# Altium PCB Test.PcbDoc (part 4 of 7) (continued)
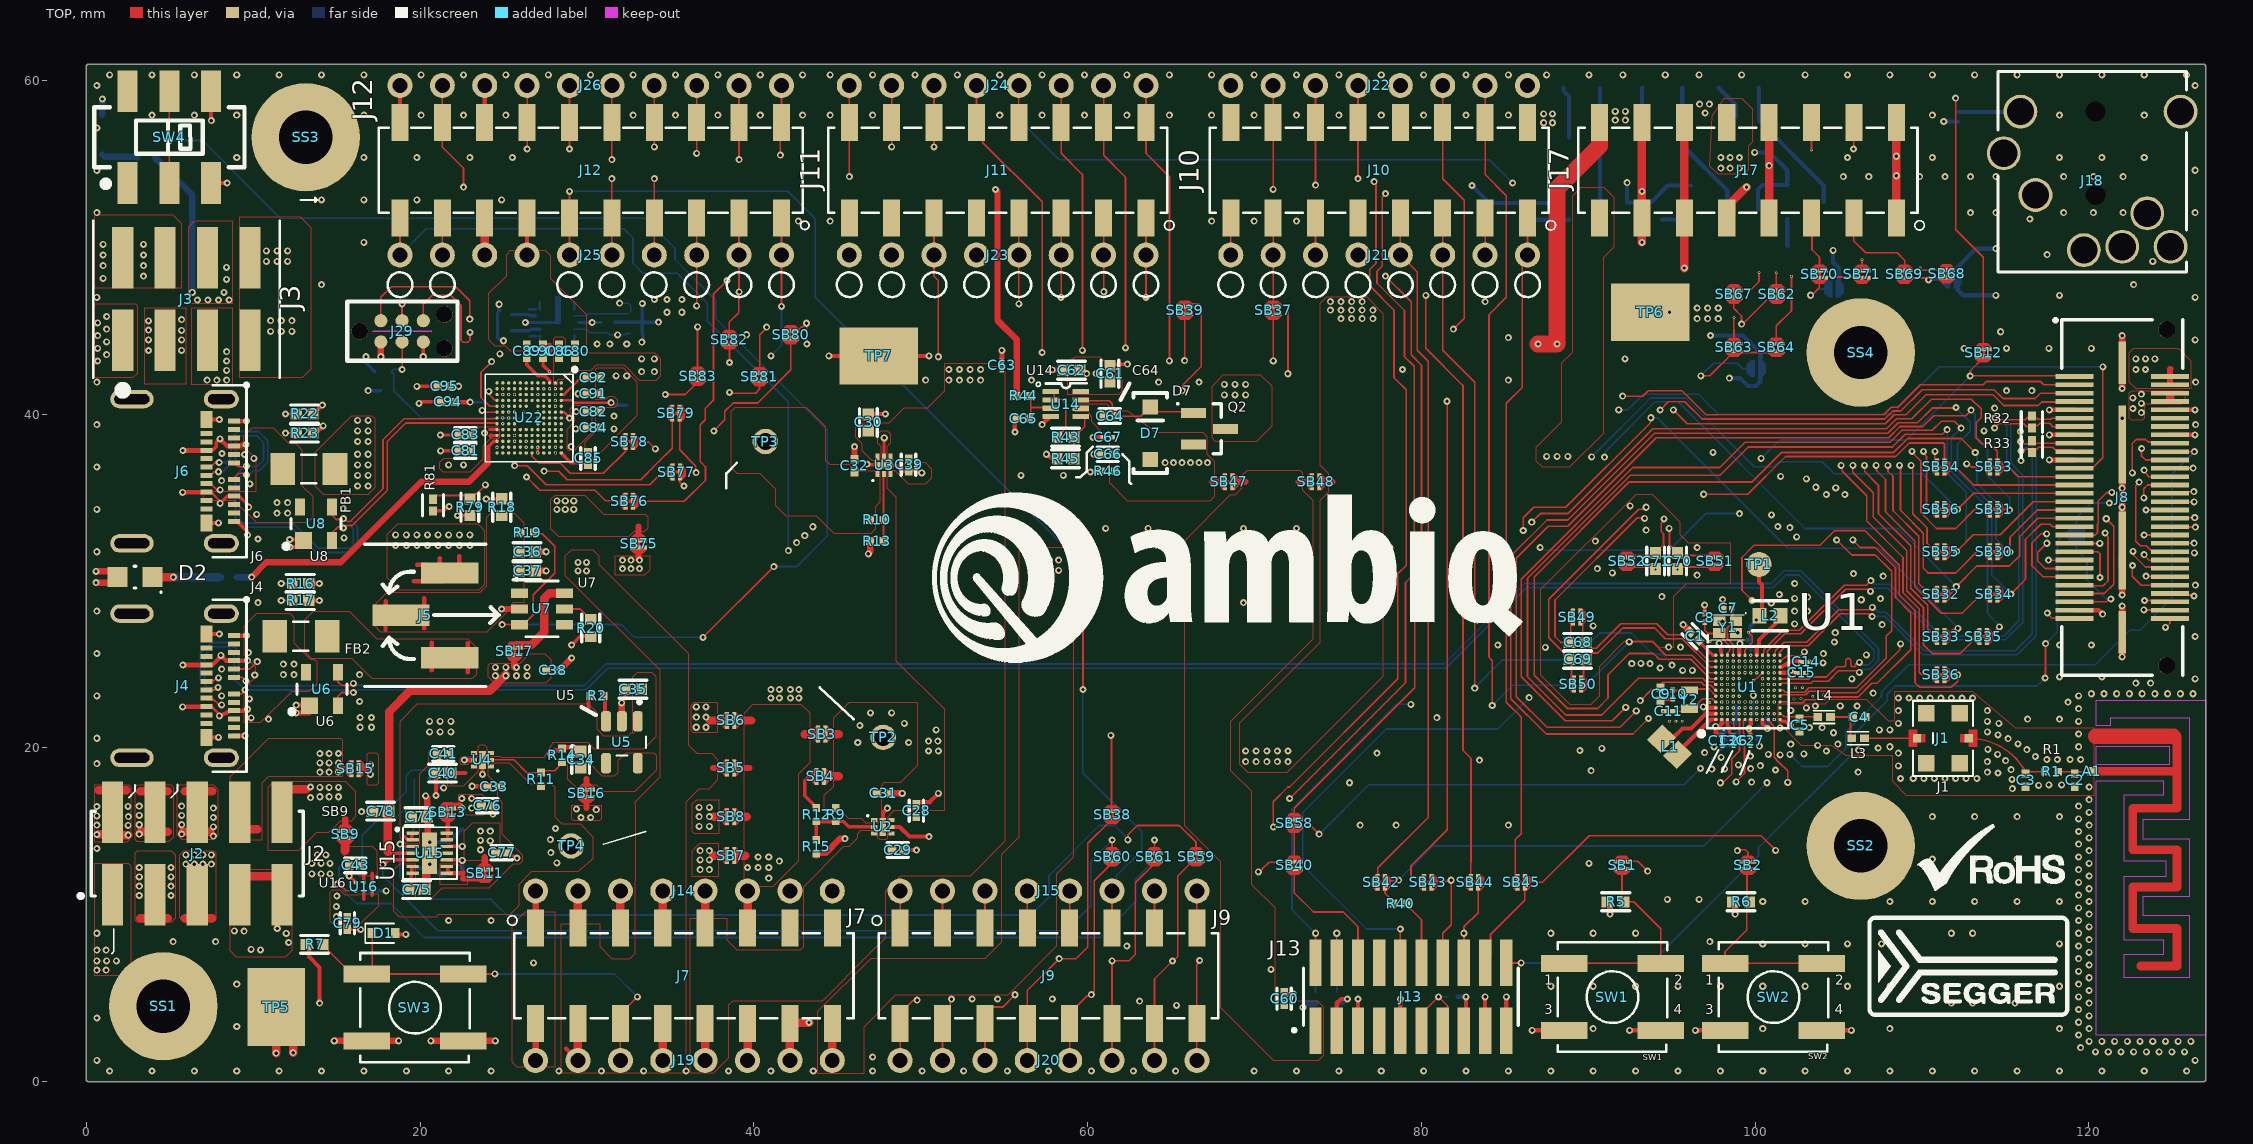
[diagram p0: TOP view]
## Nets (pads, with @x,y where several pads share a name; then routed paths per layer and width w, separated by ;. In a path a pad name is that pad's centre, name@x,y a point inside that pad or via, vN(x,y) a via of type N, cw(c..) or ccw(c..) an arc to the next point about the centre after c; other vN are vias at no path point) (continued)
  TOP w0.102: C7.1@98.641,28.296 98.641,27.838 Y1.1@98.875,27.605 ; U1.D12@98.693,25.547 98.693,26.173 98.349,26.518 98.349,27.228 98.384,27.263 98.535,27.373 Y1.1@98.849,27.579
NetC8_1: C8.1 U1.C12 Y1.3 | length 3.2
  TOP w0.102: C8.1@96.979,27.532 96.979,27.062 97.188,26.853 97.849,26.853 98.095,26.853 98.095,26.487 98.179,26.404 98.179,26.401 98.476,26.104 98.476,25.832 98.343,25.699 U1.C12@98.343,25.547
NetC10_1: C10.1 U1.A5 Y2.1 | length 2.8
  TOP w0.102: C10.1@95.072,23.508 95.146,23.434 Y2.1@96.063,23.434 96.155,23.527 97.232,23.527 97.643,23.116 U1.A5@97.643,23.097
NetC11_1: C11.1 U1.A4 Y2.2 | length 2.9
  TOP w0.102: C11.1@95.085,22.2 95.926,22.2 Y2.2@96.063,22.337 96.251,22.337 96.85,22.936 97.438,22.936 97.627,22.747 U1.A4@97.643,22.747
NetC43_1: C43.1 SB9.1 U16.A1 U16.B1 | length 1.7
  TOP w0.203: U16.B1@16.637,11.934 16.637,12.446 ; U16.A1@17.137,11.934 17.137,12.502
  TOP w0.381: C43.1@16.483,12.954 16.529,12.954 C43.1@16.57,12.913
  TOP w0.508: 15.519,13.843 15.519,14.398
NetC44_1: C44.1 U18.12 | length 1.4
  BOTTOM w0.203: C44.1@25.492,45.963 26.524,45.963 26.602,45.885 U18.12@26.905,45.885
NetC45_1: C45.1 U18.10 | length 1.7
  BOTTOM w0.203: C45.1@25.499,44.983 26.549,44.983 26.651,45.085 U18.10@27.178,45.085
NetC64_1: C64.1 D7.1 Q2.1 U14.7 | length 7.5
  TOP w0.102: U14.7@59.827,40.889 59.918,40.798 61.292,40.798 61.469,40.621 61.469,40.059 61.65,39.878 63.195,39.878 63.33,40.013 63.33,40.038 63.729,40.437 D7.1@63.754,40.437 64.059,40.132 Q2.1@66.218,40.132
NetC65_1: C65.1 R44.2 U14.3 | length 2.8
  TOP w0.102: C65.1@56.516,39.724 56.591,39.799 R44.2@56.591,41.041 ; R44.2@56.539,41.092 R44.2@56.584,41.048 ; 56.601,40.391 U14.3@58.029,40.391
NetC68_1: C68.1 SB49.1 U1.A11 | length 11.1
  TOP w0.102: 89.662,27.838 89.662,26.518 89.865,26.314 90.221,25.959 90.475,25.959 91.948,27.432 94.107,27.432 94.767,26.772 95.654,26.772 95.729,26.697 95.731,26.697 97.231,25.197 U1.A11@97.643,25.197
NetC69_1: C69.1 SB50.1 U1.A10 | length 11.1
  TOP w0.102: 89.713,23.825 89.713,25.146 89.865,25.298 90.246,25.679 90.576,25.679 92.075,27.178 93.98,27.178 94.615,26.543 95.631,26.543 97.327,24.847 U1.A10@97.643,24.847
NetC70_1: C70.1 SB51.1 U1.D11 | length 10.9
  TOP w0.102: v2(95.352,30.683) 95.504,30.836 97.587,30.836
  LY2 - GND w0.089: v3(98.693,25.197) 99.06,25.744 99.417,26.101 99.417,26.366 v2(99.517,26.467)
  LY3 - SIG w0.089: v2(95.352,30.683) 95.123,30.455 95.123,29.275 96.89,27.508 97.754,26.645 98.603,26.645 98.678,26.57 99.287,26.57 v2(99.517,26.467)
NetC71_1: C71.1 SB52.1 U1.C11 | length 9.6
  TOP w0.102: 92.304,30.836 93.878,30.836 v2(94.031,30.683)
  LY2 - GND w0.076: 98.03,25.541 v3(98.343,25.197)
  LY2 - GND w0.089: v2(97.307,26.365) 97.434,26.238 97.434,25.832 97.536,25.73 97.841,25.73 98.03,25.541
  LY3 - SIG w0.089: v2(94.031,30.683) 94.666,30.683 94.907,30.442 94.907,29.123 96.522,27.508 97.307,26.722 v2(97.307,26.365)
NetC72_1: C72.1 U15.12 | length 0.9
  TOP w0.203: U15.12@21.649,14.091 21.655,14.097 v1(22.53,14.097)
NetC73_1: C73.1 U15.10 | length 1.8
  TOP w0.203: U15.10@21.649,13.291 22.498,13.291 v1(22.53,13.259)
  BOTTOM w0.254: C73.1@22.53,12.37 v1(22.53,13.259)
NetC85_1: C85.1 U22.A13 | length 1.8
  TOP w0.203: U22.A13@28.462,37.668 29.035,37.094 C85.1@30.008,37.094
NetC86_2: C86.2 C90.1 U22.C2 | length 2.8
  TOP w0.152: C90.1@27.527,43.564 27.671,43.564 28.065,43.958 C86.2@28.169,43.958
  TOP w0.203: C90.1@27.367,43.383 27.367,42.931 v3(27.761,42.536)
  LY2 - GND w0.102: v3(27.762,41.518) v3(27.761,42.536)
NetC89_1: C89.1 U22.C1 | length 2.3
  TOP w0.203: C89.1@26.394,43.383 26.394,42.948 27.054,42.288 27.472,42.288 27.762,41.998 U22.C1@27.762,41.868
NetC91_1: C91.1 U22.B3 | length 1.9
  TOP w0.152: v1(29.467,41.218) 29.984,41.218 C91.1@29.996,41.23
  LY2 - GND w0.102: v3@28.114,41.17 v1@29.467,41.17
  other v3: 28.112,41.168
NetC92_1: C92.1 U22.A3 | length 1.7
  TOP w0.152: U22.A3@28.462,41.168 28.626,41.168 29.484,42.026 C92.1@29.836,42.026
NetC93_1: C93.1 J29.3 R71.1 U22.A6 | length 15.4
  TOP w0.102: v1@18.925,42.65 J29.3@18.925,44.321
  TOP w0.152: U22.A6@28.462,40.118 28.628,40.118 v1@28.975,39.77
  BOTTOM w0.089: C93.1@18.434,41.402 18.434,42.393 R71.1@18.282,42.545 18.41,42.672 v1(18.923,42.672)
  BOTTOM w0.102: C93.1@18.434,41.402 20.085,39.751 v1(28.956,39.751)
NetD2_1: D2.1 R76.2 | length 4
  TOP w0.508: D2.1@3.975,30.226 v1(5.215,30.226)
  BOTTOM w0.508: v1(5.215,30.226) R76.2@8.007,30.226
NetD3_1: D3.1 Q3.3 | length 8
  BOTTOM w0.254: D3.1@95.636,59.55 95.636,56.104 98.323,53.416 Q3.3@98.323,52.68
NetD3_2: D3.2 R34.1 | length 1.6
  BOTTOM w0.254: R34.1@93.218,57.912 93.218,59.53 D3.2@93.238,59.55
NetD4_1: D4.1 Q4.3 | length 7.1
  BOTTOM w0.254: D4.1@90.704,59.541 90.704,52.908 90.958,52.654 Q4.3@91.034,52.654
NetD4_2: D4.2 R35.1 | length 3.1
  BOTTOM w0.254: D4.2@88.514,59.55 88.514,59.369 88.849,59.033 R35.1@88.849,56.566
NetD5_1: D5.1 Q5.3 | length 8.5
  BOTTOM w0.254: D5.1@100.208,59.55 100.228,59.53 100.228,57.582 104.115,53.696 Q5.3@104.115,52.705
NetD5_2: D5.2 R36.1 | length 2.2
  BOTTOM w0.254: D5.2@97.81,59.55 98.857,58.504 R36.1@98.857,57.785
NetD8_2: D8.2 R49.1 | length 2.2
  BOTTOM w0.381: D8.2@0.965,55.545 1.089,55.421 2.999,55.421 R49.1@3.048,55.372
NetFB1_1: FB1.1 J6.A4 J6.A9 J6.B4 J6.B9 U8.4 | length 9.2
  TOP w0.127: J6.B4@7.206,35.326 7.292,35.24 7.566,35.24 v1@8.021,34.785
  TOP w0.152: v1(8.021,34.647) v1@8.021,34.799
  TOP w0.203: J6.B9@7.206,37.826 7.226,37.846 7.587,37.846 7.785,38.044 7.785,38.316 7.979,38.51 v1(8.015,38.51) ; v1(8.021,34.647) 8.09,34.716 8.452,35.077 J6.A9@8.854,35.077 9.178,35.077 9.731,34.524 v1(9.731,34.426)
  TOP w0.254: v1(8.015,38.51) 8.449,38.077 J6.A4@8.854,38.077 ; J6.A4@8.867,38.09 8.877,38.1 9.242,38.1 9.26,38.118 9.401,38.118 9.429,38.145 9.548,38.145 v1(9.58,38.177)
  TOP w0.279: v1@5.78,35.317 J6.B4@7.196,35.317 ; v1@5.798,37.821 J6.B9@7.201,37.821
  other v1: 10.207,33.992 11.43,34.061 12.065,34.061 11.43,34.696 12.065,34.696 5.77,35.307 5.793,37.816
NetFB2_1: FB2.1 J4.A4 J4.A9 J4.B4 J4.B9 U6.4 | length 8.6
  TOP w0.152: J4.B4@7.206,22.474 7.494,22.474 7.978,21.989 v1(7.978,21.914)
  TOP w0.254: J4.B9@7.206,24.973 7.565,24.973 8.062,25.47 v1(8.062,25.54) 8.377,25.225 J4.A4@8.854,25.225 v1(9.671,25.225) ; v1(7.978,21.914) 8.397,22.105 cw(c8.504,21.874) 8.406,22.109 8.631,22.202 J4.A9@8.854,22.225 9.573,22.225 v1(9.661,22.313)
  TOP w0.279: v1(5.77,22.455) 5.78,22.464 7.196,22.464 J4.B4@7.206,22.474 ; v1(5.793,24.964) 5.798,24.968 7.201,24.968 J4.B9@7.206,24.973
  other v1: 9.881,21.793 11.811,24.384 12.446,24.384 11.811,25.019 12.446,25.019 9.719,25.701
NetJ1_1: J1.1 L3.1 | length 3
  TOP w0.102: L3.1@106.731,20.574 J1.1@109.695,20.574
NetJ4_A5: J4.A5 R17.2 | length 6.3
  TOP w0.102: J4.A5@8.854,24.724 9.779,24.724 9.95,24.853 ccw(c9.671,25.225) 10.012,24.909 v1(10.245,25.161) ; v1(11.684,28.829) R17.2@12.319,28.829
  LY3 - SIG w0.089: v1(10.245,25.161) 11.684,27.616 v1(11.684,28.829)
NetJ4_B5: J4.B5 R16.2 | length 11.1
  TOP w0.102: J4.B5@7.206,22.974 7.289,22.892 7.636,22.892 7.896,22.632 8.05,22.632 v1(8.111,22.571) ; v1(11.684,29.845) R16.2@12.319,29.845
  LY3 - SIG w0.089: v1(8.111,22.571) 8.564,22.785 8.749,23.303 8.749,26.732 9.525,27.508 9.525,28.718 10.652,29.845 v1(11.684,29.845)
NetJ6_A5: J6.A5 R23.2 | length 4.2
  TOP w0.089: J6.A5@8.854,37.577 v1(9.484,37.577)
  TOP w0.102: v1(11.938,38.862) R23.2@12.573,38.862
  LY3 - SIG w0.089: v1(9.484,37.577) 9.504,37.588 10.595,38.189 11.268,38.862 v1(11.938,38.862)
NetJ6_B5: J6.B5 R22.2 | length 10.3
  TOP w0.089: J6.B5@7.206,35.827 7.455,35.827 7.818,35.463 v1(8.023,35.463)
  TOP w0.102: v1(11.938,40.005) R22.2@12.573,40.005
  LY3 - SIG w0.089: v1(8.023,35.463) 7.992,35.463 7.595,35.86 7.595,35.865 7.209,36.251 7.209,38.494 7.777,39.062 10.399,39.062 11.342,40.005 v1(11.938,40.005)
NetJ13_6: J13.6 SB40.1 | length 8.2
  TOP w0.102: SB40.1@72.39,12.734 72.39,11.303 73.533,10.16 75.311,10.16 76.2,9.271 J13.6@76.2,7.115 J13.6@76.2,7.112
NetJ13_11: J13.11 J13.13 R38.2 | length 5.4
  TOP w0.102: J13.11@80.01,3.048 80.23,3.268 80.23,4.297 80.328,4.394 80.34,4.394 80.965,5.019 v1(81.026,5.08) 81.568,4.538 81.568,3.336 J13.13@81.28,3.048
  BOTTOM w0.102: v1(81.026,5.08) R38.2@81.597,5.08
NetJ13_12: J13.12 R40.2 | length 4
  TOP w0.102: R40.2@79.032,10.668 80.01,9.69 J13.12@80.01,7.112
NetJ18_4: J18.4 R48.2 | length 4.7
  BOTTOM w0.254: R48.2@112.141,58.102 116.38,58.102 J18.4@115.895,58.125
NetL2_1: L2.1 U1.H12 | length 3
  TOP w0.254: U1.H12@100.093,25.547 100.093,26.026 100.228,26.162 100.228,26.469 101.214,27.455 101.214,27.59 L2.1@101.539,27.915
NetQ3_1: Q3.1 R62.1 | length 1.7
  BOTTOM w0.254: R62.1@94.412,51.638 94.437,51.664 Q3.1@96.139,51.664
NetQ3_2: Q3.2 R63.1 SB37.2 | length 34.2
  TOP w0.102: SB37.2@71.12,46.008 71.12,43.192 v1(71.124,43.188)
  LY3 - SIG w0.127: v1(71.124,43.188) 82.282,43.188 92.327,53.233 v1(92.327,53.872)
  BOTTOM w0.254: v1(92.327,53.872) 92.329,53.87 92.329,52.68 93.751,52.68 94.767,53.696 Q3.2@96.139,53.696
NetQ4_1: Q4.1 R64.1 | length 1.9
  BOTTOM w0.254: R64.1@86.919,51.638 Q4.1@88.849,51.638
NetQ4_2: Q4.2 R65.1 SB38.2 | length 62.7
  TOP w0.102: v1(61.391,20.751) 61.43,20.713 61.43,16.396 61.468,16.358
  LY3 - SIG w0.127: v1(61.391,20.751) 68.453,27.813 68.453,36.917 63.754,41.616 63.754,43.053 68.813,48.112 76.541,48.112 77.492,49.062 77.492,50.393 80.794,53.696 v1(83.033,53.696)
  BOTTOM w0.254: v1(83.033,53.696) 84.075,52.654 84.811,52.654 87.833,52.654 Q4.2@88.849,53.67
NetQ5_1: Q5.1 R66.1 | length 1.6
  BOTTOM w0.254: Q5.1@101.93,51.689 101.93,50.114 R66.1@101.956,50.089
NetQ5_2: Q5.2 R67.1 SB39.2 | length 49.4
  TOP w0.102: v1@65.814,43.206 SB39.2@65.814,46.008
  LY3 - SIG w0.127: v1@65.818,43.204 66.955,44.342 80.251,44.342 85.128,49.219 85.128,49.941 86.708,51.521 87.208,51.521 91.948,56.261 99.39,56.261 v1(99.974,55.677)
  BOTTOM w0.254: v1(99.974,55.677) 100.863,55.677 101.93,54.61 101.93,53.721 100.432,53.721 100.178,53.467 R67.1@100.178,52.222
  other v1: 65.816,43.204
NetR2_1: R2.1 U5.3 | length 1.6
  TOP w0.254: R2.1@31.009,23.114 31.078,23.045 31.078,21.658 U5.3@31.146,21.589
NetR5_1: R5.1 SB1.2 SW1.1 SW1.2 | length 12.9
  TOP w0.102: SW1.1@88.544,7.087 94.336,7.087 94.336,9.169 92.735,10.77 92.037,10.77 91.986,10.77 92.022,10.806 SB1.2@92.022,12.731
NetR6_1: R6.1 SB2.2 SW2.1 SW2.2 | length 11.9
  TOP w0.102: 99.517,12.598 99.517,10.782 99.504,10.77 99.504,9.08 98.196,7.772 98.196,7.087 SW2.2@103.988,7.087
NetR9_1: R9.1 R12.2 R15.2 U2.2 | length 4.6
  TOP w0.203: R12.2@43.733,15.546 R12.2@43.76,15.574 ; R15.2@43.739,14.572 43.748,14.58 R12.2@43.748,15.543 ; R12.2@43.764,15.577 44.882,15.577 44.907,15.602 45.358,15.602 45.699,15.261 U2.2@47.239,15.261
NetR10_1: R10.1 R13.1 U3.2 | length 4
  TOP w0.102: R13.1@47.771,32.385 U3.2@47.771,36.417
NetR11_1: R11.1 R14.2 U4.2 | length 4.7
  TOP w0.102: U4.2@24.249,19.283 25.631,19.283 26.398,18.516 R11.1@27.238,18.516 ; R11.1@27.238,18.621 28.062,18.621 R14.2@28.499,19.058
NetR12_1: R12.1 SB4.1 | length 2.7
  TOP w0.203: R12.1@43.739,16.452 43.053,17.138 43.053,18.034 43.307,18.288 SB4.1@43.756,18.288
NetR19_2: R19.2 SW4.2 SW4.5 U7.3 | length 90
  TOP w0.102: SW4.2@4.978,53.841 v1(4.978,56.388) SW4.5@4.978,59.341 ; v1(24.923,27.387) 25.937,27.387 U7.3@25.952,27.371 26.175,27.371 26.775,27.972 26.775,29.166 28.065,30.456 28.065,32.083 27.32,32.828 26.989,32.828 R19.2@26.924,32.893 ; v1(36.957,26.619) v1(41.199,30.861)
  BOTTOM w0.102: v1(4.978,56.388) 6.985,56.388 11.633,51.74 33.483,51.74 35.281,49.942 35.281,49.258 37.719,46.82 37.719,45.724 44.399,39.044 44.399,32.689 42.571,30.861 v1(41.199,30.861) ; v1(24.923,27.387) 32.049,27.387 32.817,26.619 v1(36.957,26.619)
NetR20_2: R20.2 U7.5 | length 1.8
  TOP w0.102: U7.5@28.658,28.321 29.591,28.321 R20.2@30.226,27.686
NetR43_1: R43.1 U14.1 U14.2 | length 3.5
  TOP w0.102: U14.1@58.029,41.389 58.011,41.372 58.011,40.907 58.029,40.889 58.435,40.889 58.695,40.629 58.695,39.137 R43.1@58.166,38.608
NetR43_2: R43.2 R45.2 U14.5 | length 2.6
  TOP w0.102: R45.2@59.182,37.592 59.182,38.608 59.827,39.253 U14.5@59.827,39.891
NetR51_2: R51.2 R52.1 SB60.2 U15.5 | length 58.2
  TOP w0.102: SB60.2@61.468,13.682 v1(61.468,14.478)
  TOP w0.203: v1(17.767,13.006) 17.826,13.006 18.11,13.291 U15.5@19.401,13.291
  BOTTOM w0.102: R51.2@19.66,18.11 19.66,16.485 19.612,16.437 19.19,16.437 18.245,15.492 18.245,13.485 v1(17.767,13.006) 17.767,12.332 21.053,9.046 58.703,9.046 60.198,10.541 60.198,13.208 v1(61.468,14.478)
NetR53_1: R53.1 R54.2 SB59.2 U15.3 | length 59
  TOP w0.102: v1(18.796,14.224) 18.883,14.224 19.015,14.092 U15.3@19.498,14.092 ; v1(62.408,14.491) 62.418,14.5 62.418,14.793 62.973,15.348 65.495,15.348 66.501,14.342 66.501,13.952 66.501,13.817 SB59.2@66.501,13.682
  BOTTOM w0.102: R53.1@19.609,15.316 19.609,14.707 19.159,14.257 18.829,14.257 v1(18.796,14.224) ; R54.2@19.634,13.818 19.566,13.885 19.135,13.885 v1(18.796,14.224) ; v1(62.408,14.491) 62.408,14.554 61.614,15.348 60.687,15.348 57.693,12.354 57.693,11.084 56.589,9.98 25.189,9.98 24.247,10.922 20.117,10.922 18.796,12.243 v1(18.796,14.224)
NetR56_1: R56.1 R57.2 SB61.2 U16.C2 | length 58.2
  TOP w0.102: v1(15.023,11.829) 15.084,11.768 15.251,11.768 15.585,11.434 U16.C2@16.137,11.434 ; SB61.2@64.008,13.682 v1(64.008,14.478)
  BOTTOM w0.102: R56.1@15.727,13.462 15.727,13.46 15.143,12.876 15.143,12.036 15.023,11.916 v1(15.023,11.829) 16.184,10.668 18.237,10.668 20.266,8.639 60.74,8.639 62.865,10.764 62.865,12.111 64.008,13.254 v1(64.008,14.478)
NetR72_1: R72.1 U22.A4 | length 4
  TOP w0.152: U22.A4@28.478,40.827 U22.A4@28.505,40.827 ; U22.A4@28.519,40.841 29.072,40.841 29.226,40.687 v1(31.453,40.687)
  BOTTOM w0.203: v1@31.526,40.705 31.712,40.519 R72.1@32.385,40.519
NetR76_1: R76.1 U22.M11 | length 19.5
  TOP w0.203: 24.091,38.04 24.418,38.368 U22.M11@24.612,38.368
  TOP w0.254: 24.091,37.096 24.091,38.04
  TOP w0.381: v1(9.906,30.226) 10.795,31.115 15.24,31.115 20.066,35.941 22.935,35.941 24.091,37.096
  BOTTOM w0.381: R76.1@9.011,30.226 v1(9.906,30.226)
NetR79_1: R79.1 R81.2 U22.M4 | length 14.5
  TOP w0.102: R81.2@20.777,34.9 20.777,34.94 20.958,35.121 22.786,35.121 R79.1@22.987,34.919 23.27,35.202 23.377,35.202 23.918,35.744 v1(23.918,35.756) ; v1@23.762,35.692 v1@23.855,35.692 ; v1(24.122,41.359) 24.183,41.298 24.183,41.138 24.485,40.836 24.593,40.836 U22.M4@24.612,40.818
  LY3 - SIG w0.102: v1(23.918,35.756) 23.918,37.931 21.717,40.132 21.717,41.91 21.971,42.164 23.166,42.164 23.91,41.42 24.061,41.42 v1(24.122,41.359)
NetSB11_1: SB11.1 U15.8 U15.9 | length 2.6
  TOP w0.203: U15.8@21.649,12.491 U15.9@21.649,12.89
  TOP w0.254: U15.8@21.649,12.491 22.611,12.491
  TOP w0.381: 22.581,12.169 SB11.1@23.819,12.169
NetSB13_1: SB13.1 U15.13 U15.14 | length 1.3
  TOP w0.203: U15.13@21.649,14.491 U15.14@21.649,14.89
  TOP w0.254: U15.14@21.666,14.908 21.666,15.773
NetSB17_1: SB17.1 U7.6 | length 5.4
  TOP w0.508: 25.781,26.162 26.67,26.162 27.432,26.924 27.432,28.956 27.747,29.271 U7.6@28.658,29.271
nRST: C9.1 D1.1 J7.6 J13.10 J19.3 R7.1 SB76.2 SW3.1 SW3.2 U1.A6 | length 198.3
  TOP w0.102: R7.1@14.186,8.219 14.47,7.936 14.47,7.886 15.443,6.913 15.443,6.909 15.9,6.452 SW3.1@16.789,6.452 ; D1.1@17.132,8.889 17.132,6.795 SW3.1@16.789,6.452 ; v1(24.486,6.452) 22.581,6.452 SW3.1@16.789,6.452 ; J19.3@32.004,1.27 J7.6@32.004,3.48 ; J7.6@32.004,3.492 32.004,4.092 32.464,4.552 32.492,4.552 v1(33.02,5.08) ; SB76.2@32.757,34.773 35.839,34.773 37.109,36.043 37.109,36.83 36.785,37.155 36.785,39.35 37.084,39.649 37.084,40.335 37.579,40.83 37.579,47.178 v1(38.403,48.001) ; J13.10@78.74,7.112 J13.10@78.74,7.115 v1(78.74,9.144) ; v1(93.127,22.83) 93.805,23.508 94.336,23.508 C9.1@94.336,23.594 94.336,23.825 94.448,23.938 96.763,23.938 96.946,23.755 97.335,23.755 U1.A6@97.643,23.447
  LY3 - SIG w0.089: v1(33.02,5.08) 43.389,5.08 44.913,3.556 73.152,3.556 v1(78.74,9.144)
  LY6 - SIG w0.089: v1(38.403,48.001) 38.407,48.006 40.005,48.006 40.259,47.752 56.769,47.752 58.248,46.273 72.688,46.273 83.693,35.268 83.693,25.943 86.395,23.241 86.395,23.075 v1(86.459,23.011) ; v1@86.549,23.011 86.671,22.888 93.068,22.888 v1(93.127,22.83)
  BOTTOM w0.102: v1(24.486,6.452) 31.648,6.452 v1(33.02,5.08) ; v1(78.74,9.144) 76.708,9.144 72.898,12.954 72.898,16.129 77.895,21.126 84.574,21.126 v1(86.459,23.011)
OB_CTS: SB82.1 U22.M6 | length 23.8
  TOP w0.102: v1(23.716,40.221) 23.803,40.221 23.898,40.126 23.903,40.126 23.912,40.118 24.592,40.118 U22.M6@24.602,40.108 ; SB82.1@38.532,44.23 38.532,43.969 38.544,43.957 v1(38.544,43.091)
  LY3 - SIG w0.102: v1(23.716,40.221) 24.987,38.951 27.12,38.951 28.732,37.338 32.656,37.338 33.761,38.444 38.19,38.444 39.498,39.752 39.498,42.138 v1(38.544,43.091)
OB_RTS: SB83.1 U22.K6 | length 12.2
  TOP w0.102: v1(34.701,41.174) 35.89,41.174 36.627,41.91 SB83.1@36.627,42.046
  LY2 - GND w0.102: v3@25.316,40.122 v2(26.195,40.122)
  LY3 - SIG w0.102: v2@26.199,40.126 26.193,40.132 28.321,40.132 28.829,40.64 30.099,40.64 30.65,41.191 34.683,41.191 v1(34.701,41.174)
  other v3: 25.312,40.118
OB_RXD: SB81.1 U22.L3 | length 16.9
  TOP w0.102: v1(38.544,41.303) 38.597,41.25 40.107,41.25 40.335,41.478 SB81.1@40.335,42.02
  LY3 - SIG w0.102: v2@24.981,41.148 24.981,40.975 25.2,40.756 27.421,40.756 28.448,41.783 37.122,41.783 37.602,41.303 v1(38.544,41.303)
  other v2: 24.962,41.168
OB_TXD: SB80.1 U22.L2 | length 23.2
  TOP w0.102: v1(37.603,38.988) 38.266,39.651 38.266,40.159 38.772,40.665 40.234,40.665 42.215,42.647 SB80.1@42.215,44.535
  LY3 - SIG w0.102: v2@24.942,41.498 24.788,41.498 24.625,41.335 24.625,40.92 25.159,40.386 25.352,40.386 26.32,39.418 28.324,39.418 29.125,38.618 32.529,38.618 32.88,38.969 37.583,38.969 v1(37.603,38.988)
  other v2: 24.962,41.518
OB_VDDUSB0P9: C94.1 C96.1 U18.8 U18.9 U22.L7 | length 5.1
  TOP w0.254: C94.1@22.052,40.714 v1(22.998,40.714)
  LY2 - GND w0.152: v1(22.998,40.714) 23.05,40.766 23.218,40.766 23.222,40.77 24.159,40.77 24.961,39.968 v3(24.962,39.768)
  BOTTOM w0.152: v1@23.013,40.699 23.826,40.699 ; 26.576,44.675 U18.9@26.976,44.675 ; U18.8@27.178,44.285 U18.9@27.178,44.685
OB_VDDUSB0P9_En: R74.2 U18.5 U22.M5 | length 15.4
  TOP w0.102: v1(24.29,43.137) 23.655,42.501 23.655,40.989 24.176,40.468 U22.M5@24.612,40.468
  LY3 - SIG w0.102: v1(24.29,43.137) 28.151,43.137 29.76,44.746 v1(31.84,44.746)
  BOTTOM w0.102: U18.5@29.228,45.085 29.962,45.085 30.176,44.871 31.225,44.871 ; 31.231,44.877 31.362,44.746 v1(31.84,44.746) 32.251,44.746 32.336,44.831 R74.2@32.618,44.831
OB_VDDUSB33: C46.1 C95.1 U18.13 U18.14 U22.K7 | length 5.1
  TOP w0.254: C95.1@21.824,41.667 v1(22.318,41.667)
  LY3 - SIG w0.203: v1@22.338,41.67 23.024,41.67 23.864,40.83 24.215,40.83 25.272,39.773 25.307,39.773 v2(25.312,39.768)
  BOTTOM w0.152: 26.52,46.293 U18.13@26.92,46.293 ; U18.13@27.178,46.285 U18.14@27.178,46.685
OB_VDDUSB33_En: R75.2 U18.3 U22.L5 | length 17.3
  LY2 - GND w0.102: v1(24.787,43.611) 26.035,42.363 26.035,40.975 25.694,40.633 25.128,40.633 v3(24.962,40.468)
  LY3 - SIG w0.102: v1(24.787,43.611) 26.847,43.611 29.883,46.647 v1(31.957,46.647)
  BOTTOM w0.102: U18.3@29.231,45.888 29.979,45.888 30.098,46.007 R75.2@32.489,46.007 ; v1(31.957,46.647) 32.474,46.647 32.618,46.503 R75.2@32.618,46.101
PDM0CK_SWTRCK_RTS23_TE_GP50: J10.4 J22.2 U1.A9 | length 53.9
  TOP w0.102: J22.2@83.82,59.69 83.82,54.356 85.09,53.086 85.09,46.99 84.051,45.951 84.051,25.423 84.247,25.227 v1(84.247,22.534) ; v1(92.458,26.348) 93.848,26.348 94.651,25.545 94.996,25.545 96.22,25.545 97.269,24.497 U1.A9@97.643,24.497
  BOTTOM w0.102: v1(84.247,22.534) 85.462,23.749 89.859,23.749 v1(92.458,26.348)
PDM0DAT_SWTR0_CTS01_GP51: J10.5 J21.3 U1.B9 | length 46.6
  TOP w0.102: J10.5@81.28,51.752 J21.3@81.28,49.53 81.28,43.815 83.198,41.897 83.198,23.727 83.304,23.622 v1@83.312,23.622
  LY2 - GND w0.076: v1(95.018,24.96) 95.018,24.995 95.423,25.4 96.574,25.4 97.561,24.409 97.905,24.409 v3(97.993,24.497)
  BOTTOM w0.102: v1(83.198,23.579) 83.198,23.604 84.855,25.261 89.066,25.261 90.686,26.881 92.596,26.881 93.881,25.596 94.446,25.596 95.018,25.024 v1(95.018,24.96)
PDM3CK_SWO_RX23_GP56: J8.30 J10.12 J22.6 U1.J7 | length 91.9
  TOP w0.102: v1(73.66,53.721) J10.12@73.66,57.468 J22.6@73.66,59.69 ; J8.30@124.861,35.251 124.957,35.345 126.28,35.345 v1(126.287,35.353)
  LY3 - SIG w0.089: v4(102.413,23.597) 103.438,24.621 104.038,24.621 104.27,24.621 105.575,25.927 105.575,26.569 105.575,27.123 104.902,27.796 104.902,30.988 103.705,32.185 103.705,34.633 103.636,34.702 v1(103.636,35.615)
  LY4 - GND w0.076: v4(100.443,23.797) 100.442,23.793 100.916,23.319 101.041,23.063 101.346,22.758 101.625,22.758 101.829,22.962 101.829,23.089 102.336,23.597 v4(102.413,23.597)
  LY6 - SIG w0.089: v1(73.66,53.721) 74.803,52.578 91.313,52.578 92.075,51.816 94.412,51.816 100.254,45.974 100.254,39.64 103.636,36.258 v1(103.636,35.615) 103.585,35.564 103.585,35.128 103.993,34.721 106.603,34.721 108.17,36.288 118.831,36.288 119.952,37.409 123.627,37.409 125.73,35.306 126.241,35.306 v1(126.287,35.353)
PDM3DAT_SWO_RTS01_VCO_GP57: J8.32 J10.14 J22.7 U1.J8 | length 91.7
  TOP w0.102: v1(71.12,53.467) J10.14@71.12,57.468 J22.7@71.12,59.69 ; J8.32@124.861,34.751 124.875,34.738 v1(126.303,34.738)
  LY3 - SIG w0.089: v1(104.064,25.095) 104.089,25.07 104.348,25.07 105.359,26.081 105.359,26.99 104.648,27.701 104.648,30.861 103.374,32.135 103.374,33.397 103.03,33.741 103.03,36.071 v1(103.072,36.112) 104.731,36.112 104.792,36.051 122.191,36.051 122.785,35.457 123.556,35.457 124.275,34.738 v1(126.303,34.738)
  LY4 - GND w0.076: v4(100.443,24.147) 100.754,24.148 100.947,24.148 101.417,23.678 102.037,23.678 102.286,23.927 102.946,23.927
  LY4 - GND w0.102: 102.946,23.927 104.038,25.019 104.038,25.07 v1(104.064,25.095)
  LY6 - SIG w0.089: v1(71.12,53.467) 73.152,53.467 74.318,52.301 90.955,52.301 91.758,51.498 94.346,51.498 99.995,45.849 99.995,39.19 v1(103.072,36.112)
RING: J18.3 SB64.2 SB68.2 | length 28.5
  TOP w0.102: 101.27,44.348 101.27,45.288 102.184,46.203 v2(102.184,48.26) ; v2(109.88,48.743) 109.998,48.625 SB68.2@111.468,48.625
  LY3 - SIG w0.089: v2(102.184,48.26) 102.006,48.438 102.006,48.641 102.235,48.87 109.753,48.87 v2(109.88,48.743) 111.15,48.743 113.411,51.003 118.516,51.003 119.101,51.587 120.942,51.587 J18.3@121.996,50.025
SDIFCK0_GP88: J8.46 U1.F9 | length 31.4
  TOP w0.102: v1(123.307,31.578) 123.307,31.545 123.605,31.247 J8.46@124.861,31.247
  LY4 - GND w0.076: v4@99.394,24.497 99.466,24.569 99.466,25.197 99.238,25.425 99.238,25.922 99.417,26.101 99.417,26.112
  LY4 - GND w0.089: 99.417,26.112 100.33,27.026 102.196,27.026 102.328,27.157 102.328,27.398 v1(102.362,27.432)
  LY6 - SIG w0.089: v1(102.362,27.432) 102.414,27.432 102.594,27.612 104.038,27.612 106.622,27.612 106.821,27.413 106.827,27.413 107.336,26.904 108.852,26.904 111.138,29.191 112.376,29.191 113.465,30.28 119.18,30.28 119.847,30.947 121.255,30.947 121.964,30.238 122.641,30.238 123.317,30.914 123.317,31.568 v1(123.307,31.578)
  other v4: 99.393,24.497
SDIFD0_GP84: J8.40 U1.J9 | length 34.8
  TOP w0.102: v4(99.885,24.028) 100.171,24.225 U1.J9@100.443,24.497 ; v1(123.306,32.751) J8.40@124.861,32.751
  LY4 - GND w0.076: v4(99.885,24.028) 100.123,24.174 100.358,24.409 101.638,24.409 101.918,24.13 102.781,24.13
  LY4 - GND w0.102: 102.781,24.13 103.691,25.04 103.691,25.246 104.038,25.593 v1(104.09,25.643) v1(104.09,25.643)
  LY6 - SIG w0.089: v1(104.09,25.643) 104.767,25.643 105.353,26.229 106.713,26.229 107.287,25.654 107.837,25.104 109.369,25.104 112.052,27.788 113.765,27.788 114.23,28.252 115.131,28.252 115.978,27.405 123.082,27.405 123.857,28.18 123.857,30.073 123.881,30.096 123.881,30.476 123.857,30.5 123.857,32.199 v1(123.306,32.751)
SDIFD1_GP85: J8.42 U1.H9 | length 35
  TOP w0.102: J8.42@124.861,32.248 124.87,32.257 126.301,32.257 v1(126.31,32.266)
  LY3 - SIG w0.089: v5(105.004,23.546) 105.094,23.546 105.156,23.483 105.327,23.313 106.333,23.313 107.024,24.003 110.294,24.003 111.945,25.654 114.808,25.654 116.317,27.163 118.55,27.163 121.105,29.718 123.952,29.718 125.095,30.861 125.095,31.369 125.966,32.24 126.284,32.24 v1(126.31,32.266)
  LY4 - GND w0.076: v4(100.093,24.497) 100.251,24.575 101.689,24.575 101.966,24.298 102.39,24.298
  LY4 - GND w0.102: 102.39,24.298 102.606,24.298 103.497,25.189 103.497,25.59 104.024,26.117 104.27,26.117 104.279,26.108 104.282,26.108 104.555,25.836 104.555,23.994 v5(105.004,23.546)
SDIFD2_GP86: J8.44 U1.G10 | length 39.7
  TOP w0.102: v1(123.012,35.916) 122.804,35.707 122.804,32.37 123.068,32.106 123.444,32.106 123.8,31.75 J8.44@124.861,31.751
  LY3 - SIG w0.076: 99.67,25.984 99.39,25.705 99.39,25.425 99.543,25.273 99.543,25.052 99.743,24.851 v2(99.743,24.847)
  LY3 - SIG w0.089: 99.67,25.984 100.305,26.619 100.305,27.33 100.432,27.457 100.432,28.956 99.187,30.201 99.187,31.877 100.572,33.262 v1(101.359,33.262)
  LY6 - SIG w0.089: v1(101.359,33.262) 101.359,33.287 101.915,33.843 107.083,33.843 108.702,35.462 119.422,35.462 120.01,36.05 122.239,36.05 122.376,35.913 v1@123.009,35.913
SDIFD3_TE_GP87: J8.52 U1.G9 | length 31.9
  TOP w0.102: v1(122.615,30.923) 122.601,30.909 122.601,30.29 123.142,29.748 J8.52@124.861,29.748
  LY4 - GND w0.076: 99.416,25.832 99.416,25.476 99.644,25.248 99.644,24.596 v4(99.743,24.497)
  LY4 - GND w0.089: 99.416,25.832 100.33,26.746 102.362,26.746 102.768,27.153 102.768,27.788
  LY4 - GND w0.102: v1(102.362,28.194) 102.768,27.788
  LY6 - SIG w0.089: v1(102.362,28.194) 102.743,27.813 103.334,27.813 103.724,28.203 105.477,29.956 106.059,29.956 106.583,30.48 106.745,30.642 106.969,30.642 107.188,30.861 111.731,30.861 112.073,30.519 117.97,30.519 118.693,31.242 122.151,31.242 122.406,30.987 122.551,30.987 v1(122.615,30.923)
SIMOSW: L1.1 U1.A1 | length 3.2
  TOP w0.254: L1.1@95.288,19.647 97.338,21.697 U1.A1@97.643,21.697
SIMOSWSEL: L1.2 U1.A2 | length 3.9
  TOP w0.254: L1.2@94.391,20.544 95.026,20.544 95.64,21.158 96.164,21.158 97.053,22.047 U1.A2@97.643,22.047